# Altium PCB Thunderscope_Rev4.PCBDOC (part 7 of 7)
Units mm, origin at the board's own origin, x right, y up, seen from the top; angles counter-clockwise.
Board outline 119 x 103.6 mm, 6 copper layers (Top Layer, Int1 (GND), Int2 (Sign), Int3 (Sign), Int4 (GND), Bottom Layer), stack 1.49 mm thick; 636 components, 373 nets, 2159 pads, 1291 vias.
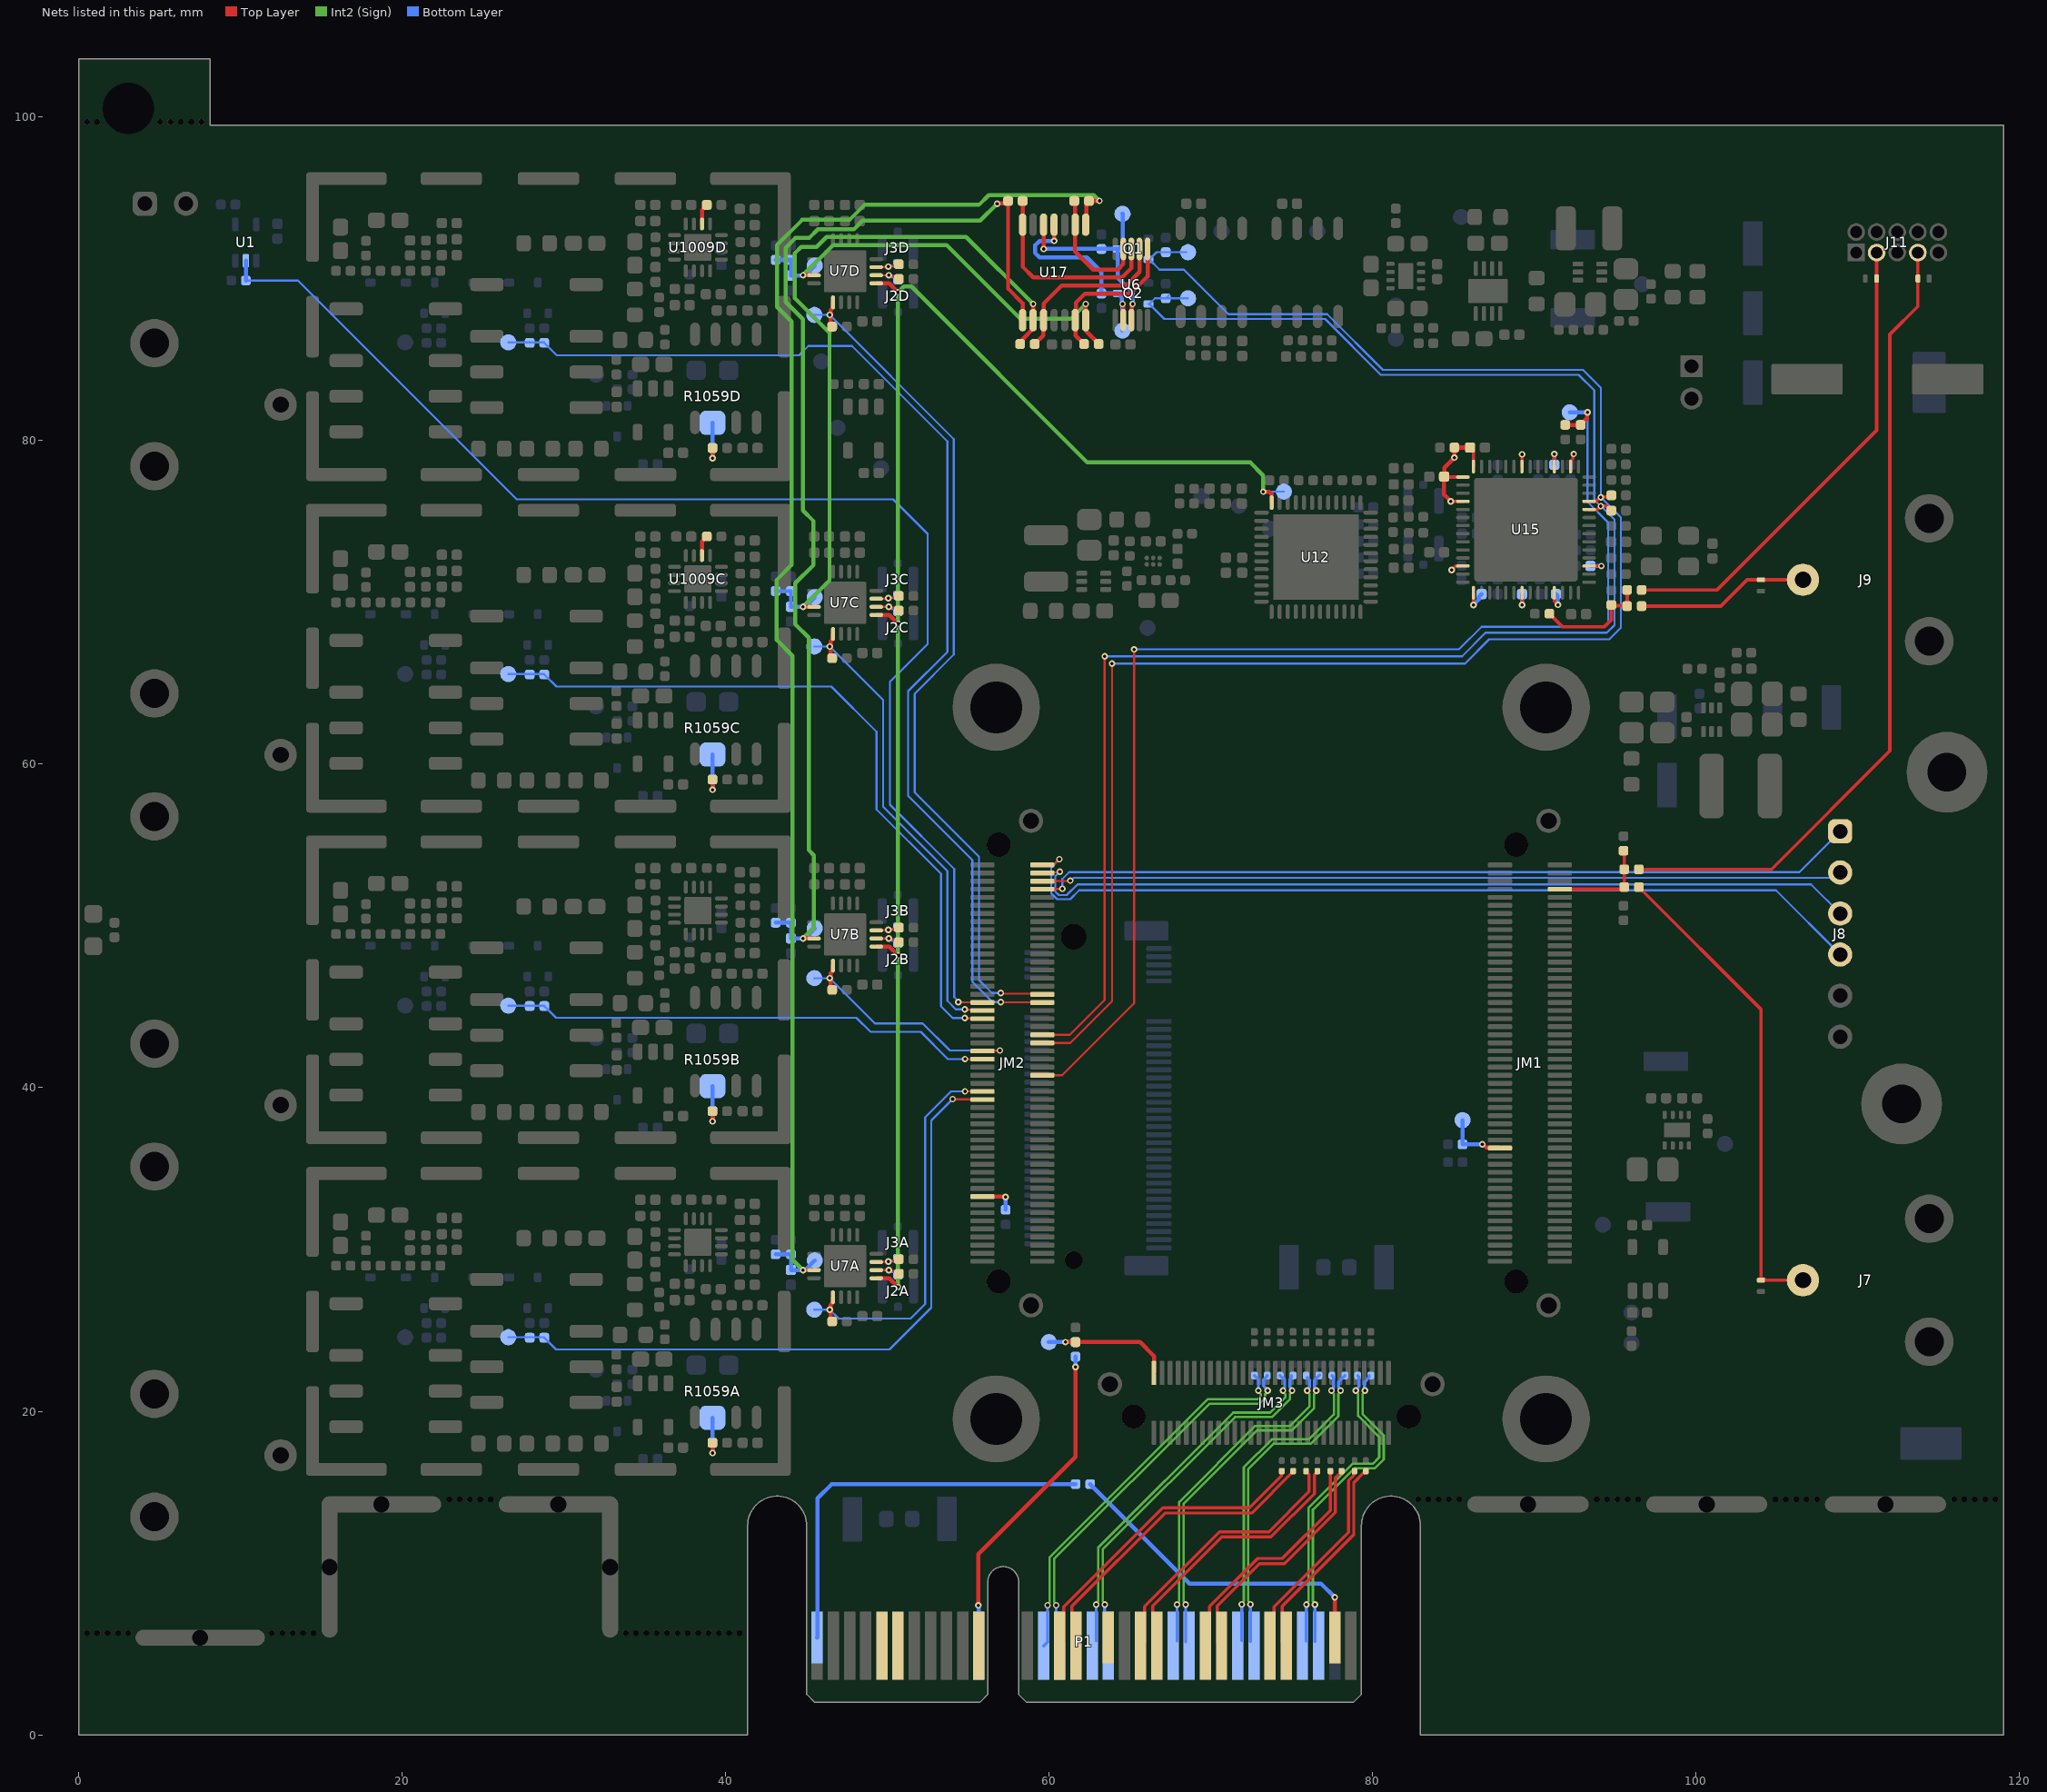
[diagram p11: the nets of this part, all layers, seen from the top]

## Via types
v1: diameter 0.406, hole 0.203, Top Layer to Bottom Layer, tented both sides, 1291 vias

## Nets (pads, with @x,y where several pads share a name; then routed paths per layer and width w, separated by ;. In a path a pad name is that pad's centre, name@x,y a point inside that pad or via, vN(x,y) a via of type N, cw(c..) or ccw(c..) an arc to the next point about the centre after c; other vN are vias at no path point) (continued)
NetR1054C_2: R1054C.2 U1009C.14 | length 1.3
  Top Layer w0.254: U1009C.14@38.525,72.9 38.525,73.763 38.825,74.063 R1054C.2@38.825,74.075
NetR1054D_2: R1054D.2 U1009D.14 | length 1.3
  Top Layer w0.254: U1009D.14@38.525,93.4 38.525,94.263 38.825,94.563 R1054D.2@38.825,94.575
NetR1055A_1: R1055A.1 R1057A.2 R1059A.2 | length 2.8
  Top Layer w0.254: v1(39.175,17.42) R1055A.1@39.175,18.05
  Bottom Layer w0.254: v1(39.175,17.42) R1057A.2@39.175,18.05 R1059A.2@39.175,19.6
NetR1055B_1: R1055B.1 R1057B.2 R1059B.2 | length 2.8
  Top Layer w0.254: v1(39.175,37.92) R1055B.1@39.175,38.55
  Bottom Layer w0.254: v1(39.175,37.92) R1057B.2@39.175,38.55 R1059B.2@39.175,40.1
NetR1055C_1: R1055C.1 R1057C.2 R1059C.2 | length 2.8
  Top Layer w0.254: v1(39.175,58.42) R1055C.1@39.175,59.05
  Bottom Layer w0.254: v1(39.175,58.42) R1057C.2@39.175,59.05 R1059C.2@39.175,60.6
NetR1055D_1: R1055D.1 R1057D.2 R1059D.2 | length 2.8
  Top Layer w0.254: v1(39.175,78.92) R1055D.1@39.175,79.55
  Bottom Layer w0.254: v1(39.175,78.92) R1057D.2@39.175,79.55 R1059D.2@39.175,81.1
OUT_RA_N: J2A.1 R40A.1 U7A.14 | length 1.7
  Top Layer w0.127: U7A.14@49.353,28.725 v1(50.075,28.725) 50.128,28.672 R40A.1@50.528,28.672 ; R40A.1@50.536,28.664 R40A.1@50.586,28.614
  Bottom Layer w0.127: v1(50.075,28.725) 50.151,28.725 50.285,28.591 J2A.1@50.484,28.591
OUT_RA_P: J3A.1 R30A.1 U7A.15 | length 1.8
  Top Layer w0.127: U7A.15@49.3,29.225 49.317,29.241 50.038,29.241 50.108,29.311 R30A.1@50.611,29.311 ; R30A.1@50.503,29.303 R30A.1@50.553,29.253
  Bottom Layer w0.127: v1(50.055,29.258) 50.072,29.275 J3A.1@50.465,29.275
OUT_RB_N: J2B.1 R40B.1 U7B.14 | length 1.7
  Top Layer w0.127: U7B.14@49.353,49.225 v1(50.075,49.225) 50.128,49.172 R40B.1@50.528,49.172 ; R40B.1@50.561,49.139 R40B.1@50.586,49.114
  Bottom Layer w0.127: v1(50.075,49.225) 50.151,49.225 50.285,49.091 J2B.1@50.484,49.091
OUT_RB_P: J3B.1 R30B.1 U7B.15 | length 1.8
  Top Layer w0.127: U7B.15@49.3,49.725 49.317,49.741 50.038,49.741 50.108,49.811 R30B.1@50.611,49.811 ; R30B.1@50.528,49.778 R30B.1@50.553,49.753
  Bottom Layer w0.127: v1(50.055,49.758) 50.072,49.775 J3B.1@50.465,49.775
OUT_RC_N: J2C.1 R40C.1 U7C.14 | length 1.7
  Top Layer w0.127: U7C.14@49.353,69.725 v1(50.075,69.725) 50.128,69.672 R40C.1@50.528,69.672 ; R40C.1@50.561,69.639 R40C.1@50.586,69.614
  Bottom Layer w0.127: v1(50.075,69.725) 50.151,69.725 50.285,69.591 J2C.1@50.484,69.591
OUT_RC_P: J3C.1 R30C.1 U7C.15 | length 1.8
  Top Layer w0.127: U7C.15@49.3,70.225 49.317,70.242 50.038,70.242 50.108,70.311 R30C.1@50.611,70.311 ; R30C.1@50.528,70.278 R30C.1@50.553,70.253
  Bottom Layer w0.127: v1(50.055,70.258) 50.072,70.275 J3C.1@50.465,70.275
OUT_RD_N: J2D.1 R40D.1 U7D.14 | length 2.1
  Top Layer w0.127: U7D.14@49.353,90.225 v1(50.075,90.225) 50.128,90.172 50.528,90.172 R40D.1@50.7,90
  Bottom Layer w0.127: v1(50.075,90.225) 50.151,90.225 50.285,90.091 50.484,90.091 J2D.1@50.65,89.925
OUT_RD_P: J3D.1 R30D.1 U7D.15 | length 2.1
  Top Layer w0.127: U7D.15@49.3,90.725 49.317,90.742 50.038,90.742 50.108,90.811 50.611,90.811 R30D.1@50.7,90.9
  Bottom Layer w0.127: v1(50.055,90.758) 50.072,90.775 50.465,90.775 J3D.1@50.631,90.941
PCIe_PER0_N: C74.1 P1.A17 | length 22.7
  Int2 (Sign) w0.148: v1@63.429,8.124 63.3,8.253 63.3,11.45 71.491,19.641 73.773,19.641 74.868,20.736 74.868,21.062 75.011,21.205 v1(75.011,21.275)
  Bottom Layer w0.191: P1.A17@63.429,5.765 v1(63.429,8.054) ; C74.1@74.975,22.21 74.975,22.085 74.875,21.985 74.875,21.469 75.011,21.333 v1(75.011,21.275)
PCIe_PER0_P: C75.1 P1.A16 | length 22.8
  Int2 (Sign) w0.148: v1@62.896,8.124 63.025,8.253 63.025,11.564 71.377,19.916 73.659,19.916 74.593,20.85 74.593,21.062 74.45,21.205 v1(74.45,21.275)
  Bottom Layer w0.191: P1.A16@62.896,5.808 v1(62.896,8.054) ; C75.1@74.265,22.195 74.378,22.081 74.44,22.081 74.557,21.964 74.557,21.441 74.45,21.333 v1(74.45,21.275)
PCIe_PER1_N: C70.1 P1.A22 | length 21.3
  Int2 (Sign) w0.148: 68.3,8.242 68.3,14.275 72.843,18.818 74.993,18.818 76.368,20.193 76.368,21.062 76.511,21.205 v1(76.511,21.275) ; 68.3,8.243 v1@68.429,8.113
  Bottom Layer w0.191: P1.A22@68.429,5.755 v1(68.429,8.043) ; v1(76.511,21.275) 76.511,21.333 76.401,21.443 76.401,21.936 76.546,22.081 76.561,22.081 76.716,22.236 C70.1@76.716,22.251
PCIe_PER1_P: C71.1 P1.A21 | length 21.1
  Int2 (Sign) w0.148: v1@67.896,8.113 68.025,8.242 68.025,14.389 72.73,19.093 74.88,19.093 76.093,20.307 76.093,21.062 75.95,21.205 v1(75.95,21.275)
  Bottom Layer w0.191: P1.A21@67.896,5.797 v1(67.896,8.043) ; C71.1@75.94,22.081 75.978,22.081 75.984,22.076 75.984,22.037 76.083,21.938 76.083,21.466 75.95,21.333 v1(75.95,21.275)
PCIe_PER2_N: C66.1 P1.A26 | length 20.3
  Int2 (Sign) w0.148: v1@72.429,8.135 72.3,8.264 72.3,16.425 73.871,17.996 76.171,17.996 77.868,19.693 77.868,21.062 78.011,21.205 v1(78.011,21.275)
  Bottom Layer w0.191: P1.A26@72.429,5.776 v1(72.429,8.065) ; v1(78.011,21.275) 78.011,21.333 77.889,21.455 77.889,21.819 78.152,22.081 78.161,22.081 78.275,22.195 C66.1@78.275,22.21
PCIe_PER2_P: C67.1 P1.A25 | length 20.2
  Int2 (Sign) w0.148: v1@71.896,8.135 72.025,8.264 72.025,16.539 73.757,18.27 76.057,18.27 77.593,19.807 77.593,21.062 77.45,21.205 v1(77.45,21.275)
  Bottom Layer w0.191: P1.A25@71.896,5.819 v1(71.896,8.065) ; v1(77.45,21.275) 77.45,21.333 77.572,21.455 77.572,22.113 C67.1@77.475,22.21
PCIe_PER3_N: C62.1 P1.A30 | length 19.7
  Int2 (Sign) w0.148: v1@76.429,8.121 76.3,8.25 76.3,11.113 76.3,13.911 78.864,16.475 80.114,16.475 80.675,17.036 80.675,18.514 79.368,19.821 79.368,21.062 79.511,21.205 v1(79.511,21.275)
  Bottom Layer w0.191: P1.A30@76.429,5.762 v1(76.429,8.051) ; v1(79.511,21.275) 79.474,21.312 79.474,21.794 79.775,22.095 C62.1@79.775,22.21
PCIe_PER3_P: C15.1 P1.A29 | length 19.7
  Int2 (Sign) w0.148: v1@75.896,8.121 76.025,8.25 76.025,10.999 76.025,14.025 78.75,16.75 80,16.75 80.4,17.15 80.4,18.4 79.093,19.707 79.093,21.062 78.95,21.205 v1(78.95,21.275)
  Bottom Layer w0.191: P1.A29@75.896,5.805 v1(75.896,8.051) ; v1(78.95,21.275) 78.95,21.333 79.157,21.54 79.157,22.128 C15.1@79.075,22.21
PCIe_PERST#: P1.A11 R84.2 | length 20.4
  Top Layer w0.254: v1(55.616,8) 55.616,11.166 61.625,17.175 v1(61.625,22.745)
  Bottom Layer w0.254: v1(55.616,8) 55.633,7.983 55.633,5.517 P1.A11@55.65,5.5 ; v1(61.625,22.745) R84.2@61.625,23.375
PCIe_PET0_N: P1.B15 R80.2 | length 19.7
  Top Layer w0.191: P1.B15@61.65,5.5 61.4,5.75 61.4,7.95 67.157,13.707 72.507,13.707 75.075,16.275 R80.2@75.075,16.3
PCIe_PET0_P: P1.B14 R81.2 | length 19.6
  Top Layer w0.191: P1.B14@60.65,5.5 60.9,5.75 60.9,7.899 67.026,14.025 72.376,14.025 74.342,15.991 74.342,16.267 R81.2@74.375,16.3
PCIe_PET1_N: P1.B20 R76.2 | length 16.9
  Top Layer w0.191: P1.B20@66.65,5.5 66.4,5.75 66.4,7.975 70.657,12.232 73.707,12.232 76.384,14.909 76.384,16.084 76.575,16.275 R76.2@76.575,16.3
PCIe_PET1_P: P1.B19 R77.2 | length 17
  Top Layer w0.191: P1.B19@65.65,5.5 65.9,5.75 65.9,7.924 70.526,12.55 73.576,12.55 76.066,15.041 76.066,16.084 75.875,16.275 R77.2@75.875,16.3
PCIe_PET2_N: P1.B24 R72.2 | length 15
  Top Layer w0.191: P1.B24@70.65,5.5 70.395,5.755 70.395,7.614 70.393,7.616 70.393,7.968 73.007,10.582 74.532,10.582 77.693,13.743 77.693,15.893 77.995,16.195 77.995,16.22 R72.2@78.075,16.3
PCIe_PET2_P: P1.B23 R73.2 | length 15
  Top Layer w0.191: P1.B23@69.9,5.249 69.9,7.924 72.876,10.9 74.401,10.9 77.375,13.874 R73.2@77.375,16.3
PCIe_PET3_N: P1.B28 R68.2 | length 13.1
  Top Layer w0.191: P1.B28@74.65,5.5 74.4,5.75 74.4,7.95 78.824,12.374 78.824,15.588 79.431,16.195 79.495,16.195 79.575,16.275 R68.2@79.575,16.3
PCIe_PET3_P: P1.B27 R69.2 | length 13
  Top Layer w0.191: P1.B27@73.905,5.316 73.905,7.904 78.506,12.505 78.506,15.72 78.807,16.021 78.807,16.232 R69.2@78.875,16.3
PCIe_REFCLK_N: C40.1 P1.A14 | length 24.3
  Int2 (Sign) w0.148: v1(60.429,8.009) 60.429,8.079 60.3,8.209 60.3,9.567 60.3,10.861 69.903,20.464 72.989,20.464 73.347,20.822 73.347,21.052 73.5,21.205 v1(73.5,21.275)
  Bottom Layer w0.191: v1(60.429,8.009) 60.429,5.721 P1.A14@60.65,5.5 ; C40.1@73.475,22.21 73.475,22.185 73.243,21.953 73.243,21.57 73.5,21.312 v1(73.5,21.275)
PCIe_REFCLK_P: C79.1 P1.A13 | length 24.3
  Int2 (Sign) w0.148: v1(59.896,8.009) 59.896,8.079 60.025,8.208 60.025,9.453 60.025,10.975 69.789,20.739 72.875,20.739 73.072,20.936 73.072,21.058 72.925,21.205 v1(72.925,21.275)
  Bottom Layer w0.191: P1.A13@59.65,5.5 59.905,5.755 59.896,5.763 v1(59.896,8.009) ; C79.1@72.675,22.21 72.675,22.195 72.789,22.081 72.798,22.081 72.925,21.955 v1(72.925,21.275)
PERST#: JM3.60 R84.1 R85.1 TP39.1 | length 8.5
  Top Layer w0.254: v1(60.995,24.275) R85.1@61.625,24.275 65.6,24.275 66.468,23.407 JM3.60@66.468,22.372
  Bottom Layer w0.254: TP39.1@59.975,24.275 v1(60.995,24.275) R84.1@61.625,24.275
PGA_CSn_1: JM2.43 R29A.1 TP26A.1 U7A.9 | length 24.8
  Top Layer w0.127: v1@54.789,39.773 JM2.43@55.831,39.773
  Top Layer w0.25: v1(46.425,26.275) 46.488,26.212 46.488,25.662 R29A.1@46.6,25.55 ; v1@46.442,26.275 46.488,26.321 46.488,26.58 46.625,26.717 U7A.9@46.625,27.05
  Bottom Layer w0.127: TP26A.1@45.475,26.275 v1(46.425,26.275) 46.975,25.725 51.425,25.725 52.325,26.625 52.325,38.175 53.925,39.775 v1(54.787,39.775)
PGA_CSn_2: JM2.53 R29B.1 TP26B.1 U7B.9 | length 16
  Top Layer w0.127: JM2.53@55.877,42.285 v1@56.933,42.285
  Top Layer w0.25: v1(46.425,46.775) 46.488,46.712 46.488,46.162 R29B.1@46.6,46.05 ; v1@46.442,46.775 46.488,46.821 46.488,47.08 46.625,47.217 U7B.9@46.625,47.55
  Bottom Layer w0.127: TP26B.1@45.475,46.775 v1(46.425,46.775) 49.225,43.975 52.175,43.975 53.85,42.3 v1(56.947,42.3)
PGA_CSn_3: JM2.63 R29C.1 TP26C.1 U7C.9 | length 29.9
  Top Layer w0.127: v1(54.775,44.85) 54.815,44.81 55.794,44.81 JM2.63@55.831,44.773
  Top Layer w0.25: v1(46.425,67.275) 46.488,67.212 46.488,66.662 R29C.1@46.6,66.55 ; v1@46.442,67.275 46.488,67.321 46.488,67.58 46.625,67.717 U7C.9@46.625,68.05
  Bottom Layer w0.127: TP26C.1@45.475,67.275 v1(46.425,67.275) 49.725,63.975 49.725,57.375 53.7,53.4 53.7,45.375 54.225,44.85 v1(54.775,44.85)
PGA_CSn_4: JM2.68 R29D.1 TP26D.1 U7D.9 | length 53.8
  Top Layer w0.127: v1(57,45.85) 57.04,45.81 59.527,45.81 JM2.68@59.565,45.773
  Top Layer w0.25: v1(46.425,87.775) 46.488,87.712 46.488,87.162 R29D.1@46.6,87.05 ; v1@46.442,87.775 46.488,87.821 46.488,88.08 46.625,88.217 U7D.9@46.625,88.55
  Bottom Layer w0.127: TP26D.1@45.475,87.775 v1(46.425,87.775) 54.1,80.1 54.1,66.775 51.675,64.35 51.675,58.25 55.65,54.275 55.65,46.65 56.45,45.85 v1(57,45.85)
PGOOD: JM1.29 R101.1 TP2.1 | length 3.9
  Top Layer w0.254: v1(86.775,36.5) 86.816,36.5 87.023,36.294 87.844,36.294 JM1.29@87.867,36.271
  Bottom Layer w0.254: TP2.1@85.55,38 R101.1@85.55,36.5 v1(86.775,36.5)
PLL_RSTn: JM2.48 R28.2 R89.1 TP44.1 | length 75.9
  Top Layer w0.127: JM2.48@59.567,40.771 60.796,40.771 65.25,45.225 v1(65.25,67.1)
  Top Layer w0.254: R89.1@91.9,80.975 R28.2@92.85,80.975 92.85,80.987 93.246,81.383 93.246,81.721 v1(93.275,81.75)
  Bottom Layer w0.127: v1(65.25,67.1) 85.325,67.1 86.725,68.5 94.288,68.5 94.55,68.762 94.55,74.943 93.275,76.218 v1(93.275,81.75)
  Bottom Layer w0.254: TP44.1@92.175,81.75 v1(93.275,81.75)
PROBE_COMP: JM2.65 R2.2 U1.2 | length 83
  Top Layer w0.127: v1(54.375,45.3) 54.39,45.285 JM2.65@55.877,45.285
  Bottom Layer w0.127: R2.2@10.325,89.9 13.55,89.9 27.075,76.375 50.344,76.375 52.475,74.244 52.475,67.425 50.15,65.1 50.15,57.5 54.125,53.525 54.125,45.607 54.375,45.357 v1(54.375,45.3)
  Bottom Layer w0.254: R2.2@10.325,89.9 U1.2@10.325,91.125
PRSNT1#: P1.A1 R86.1 | length 25
  Bottom Layer w0.254: P1.A1@45.637,6.012 P1.A1@45.65,6 45.675,6.025 45.675,14.625 46.55,15.5 R86.1@61.625,15.5
PRSNT2#_1: P1.B17
PRSNT2#_4: P1.B31 R86.2 | length 20.5
  Top Layer w0.254: P1.B31@77.65,6 v1(77.65,8.5)
  Bottom Layer w0.254: R86.2@62.525,15.5 68.675,9.35 76.8,9.35 v1(77.65,8.5)
REFINOUT: C96.2 R88.2 R106.2 R107.2 | length 7.2
  Top Layer w0.213: R88.2@90.925,69.3 91.725,68.5 94.325,68.5 94.75,68.925 94.75,69.84 94.783,69.808 95.693,69.808 R106.2@95.725,69.775 R107.2@95.725,70.775
REFINOUT1: D5.1 J9.1 R106.1 | length 10.6
  Top Layer w0.213: R106.1@96.625,69.775 101.525,69.775 103.15,71.4 D5.1@104,71.4 J9.1@106.6,71.4
REFINOUT2: D6.1 J11.3 R107.1 | length 29.6
  Top Layer w0.213: R107.1@96.625,70.775 101.3,70.775 111.16,80.635 111.16,90.025 J11.3@111.16,91.63
RESIN: JM2.17 R66.1 | length 2.2
  Top Layer w0.254: JM2.17@55.867,33.271 57.279,33.271 v1(57.3,33.25)
  Bottom Layer w0.254: R66.1@57.3,32.45 v1(57.3,33.25)
SCL: JM2.58 Q2.3 R21.1 R90.1 TP43.1 U15.24 | length 107.5
  Top Layer w0.127: JM2.58@59.567,43.271 61.271,43.271 63.425,45.425 v1(63.425,66.675)
  Top Layer w0.2: U15.24@93.375,75.75 93.88,75.75 94.08,75.95 94.448,75.95 94.723,75.675 R90.1@94.75,75.675
  Bottom Layer w0.127: v1(63.425,66.675) 85.525,66.675 86.975,68.125 94.475,68.125 94.945,68.595 94.945,75.121 94.116,75.95 v1(94.1,75.95) 94.093,75.95 93.7,76.343 93.7,83.109 92.734,84.075 86.975,84.075 80.5,84.075 77.05,87.525 67.115,87.525 Q2.3@66.19,88.45 ; Q2.3@66.125,88.45 Q2.3@66.19,88.45 ; R21.1@67.375,88.975 R21.1@67.2,88.8 ; TP43.1@68.575,88.8 R21.1@67.2,88.8 ; Q2.3@66.19,88.45 66.54,88.8 R21.1@67.2,88.8
SCL_5V: Q2.1 R23.1 TP20.1 U6.2 U17.4 | length 13.2
  Top Layer w0.254: v1(60.3,92.35) U17.4@60.3,93.35 ; v1(64.525,88.45) 64.525,88.409 64.557,88.377 64.557,87.468 U6.2@64.575,87.45
  Bottom Layer w0.254: v1(60.3,92.35) 59.4,92.35 59.125,92.075 59.125,91.6 59.4,91.325 62.325,91.325 63.225,90.425 R23.1@63.225,89.1 Q2.1@64.225,89.1 64.29,89.1 64.398,88.992 64.398,88.927 64.496,88.829 64.496,88.479 v1(64.525,88.45) TP20.1@64.525,86.8
SDA: JM2.56 Q1.3 R20.1 R91.1 TP42.1 U15.25 | length 109.4
  Top Layer w0.127: JM2.56@59.567,42.771 61.296,42.771 63.875,45.35 v1(63.875,66.225)
  Top Layer w0.2: U15.25@93.375,76.25 93.792,76.25 94.002,76.461 94.061,76.461 v1(94.1,76.5) ; v1@94.141,76.5 v1(94.1,76.5) ; R91.1@94.629,76.504 94.713,76.587 R91.1@94.75,76.625 ; R91.1@94.713,76.537 94.138,76.537 v1(94.1,76.5)
  Bottom Layer w0.127: v1(63.875,66.225) 85.7,66.225 87.2,67.725 94.625,67.725 95.345,68.445 95.345,75.262 94.107,76.5 v1(94.1,76.5) 94.1,83.275 93,84.375 80.624,84.375 77.174,87.825 71.075,87.825 68.325,90.575 66.815,90.575 Q1.3@66.19,91.2 ; Q1.3@66.125,91.2 Q1.3@66.19,91.2 ; TP42.1@68.475,91.65 R20.1@67.2,91.65 66.64,91.65 Q1.3@66.19,91.2
SDA_5V: Q1.1 R22.1 TP21.1 U6.3 U17.5 | length 13.2
  Top Layer w0.254: v1(59.65,91.85) U17.5@59.65,93.35 ; U6.3@65.075,87.45 65.093,87.468 65.093,88.352 65.15,88.409 v1(65.15,88.45)
  Bottom Layer w0.254: v1(59.65,91.85) R22.1@63.225,91.85 Q1.1@64.225,91.85 ; TP21.1@64.525,94.025 64.532,94.018 64.532,92.092 64.29,91.85 Q1.1@64.225,91.85 ; v1(65.15,88.45) 65.15,89.15 64.225,90.075 Q1.1@64.225,91.85
SMCLK: P1.B5
SMDAT: P1.B6
SYNC: JM1.94 R108.2 R109.2 R110.2 | length 6.3
  Top Layer w0.213: JM1.94@91.567,52.271 95.421,52.271 R108.2@95.55,52.4 95.55,54.6 R110.2@95.5,54.65
SYNC1: D4.1 J7.1 R108.1 | length 29.9
  Top Layer w0.213: R108.1@96.45,52.4 104,44.85 D4.1@104,28.1 ; D4.1@104.094,28.1 D4.1@104.179,28.186 ; 104.261,28.1 J7.1@106.6,28.1
SYNC2: D7.1 J11.7 R109.1 | length 50.1
  Top Layer w0.213: R109.1@96.45,53.5 104.65,53.5 111.975,60.825 111.975,86.575 113.7,88.3 J11.7@113.7,91.63
TCK: J8.4 JM2.100 | length 54.3
  Top Layer w0.127: JM2.100@59.567,53.771 59.646,53.85 60.35,53.85 v1(60.625,54.125)
  Bottom Layer w0.127: v1(60.625,54.125) 60.121,53.621 60.121,52.02 60.488,51.652 61.296,51.652 61.843,52.2 104.93,52.2 J8.4@108.9,48.23
TDI: J8.2 JM2.96 | length 49.6
  Top Layer w0.127: JM2.96@59.567,52.771 59.582,52.785 61.285,52.785 v1(61.3,52.8)
  Bottom Layer w0.127: v1(61.3,52.8) 61.339,52.8 61.514,52.975 108.193,52.975 108.528,53.31 J8.2@108.9,53.31
TDO: J8.3 JM2.98 | length 52.1
  Top Layer w0.127: JM2.98@59.567,53.271 59.607,53.31 60.61,53.31 v1(60.65,53.35)
  Bottom Layer w0.127: v1(60.65,53.35) 60.375,53.075 60.375,52.125 60.594,51.906 61.072,51.906 61.741,52.575 107.095,52.575 J8.3@108.9,50.77
TERM_1: JM2.41 R1039A.2 R1041A.2 TP1019A.1 | length 42.8
  Top Layer w0.127: v1(54.025,39.3) 54.04,39.285 JM2.41@55.877,39.285
  Bottom Layer w0.127: TP1019A.1@26.55,24.575 27.875,24.575 R1039A.2@28.775,24.575 ; R1039A.2@28.775,24.55 29.5,23.825 50.125,23.825 52.7,26.4 52.7,37.975 v1(54.025,39.3)
TERM_2: JM2.51 R1039B.2 R1041B.2 TP1019B.1 | length 30.6
  Top Layer w0.127: v1@54.789,41.773 JM2.51@55.831,41.773
  Bottom Layer w0.127: TP1019B.1@26.55,45.075 27.875,45.075 R1039B.2@28.775,45.075 ; R1039B.2@28.775,45.05 29.5,44.325 48.075,44.325 48.95,43.45 52.05,43.45 53.725,41.775 v1(54.787,41.775)
TERM_3: JM2.61 R1039C.2 R1041C.2 TP1019C.1 | length 45.7
  Top Layer w0.127: v1(54.775,44.308) 54.793,44.289 55.848,44.289 JM2.61@55.865,44.273
  Bottom Layer w0.127: TP1019C.1@26.55,65.575 R1039C.2@28.775,65.575 ; R1039C.2@28.775,65.55 29.525,64.8 46.525,64.8 49.325,62 49.325,57.2 53.3,53.225 53.3,45.025 54.017,44.308 v1(54.775,44.308)
TERM_4: JM2.66 R1039D.2 R1041D.2 TP1019D.1 | length 71
  Top Layer w0.127: v1(57,45.3) 57.015,45.285 59.552,45.285 JM2.66@59.565,45.273
  Bottom Layer w0.127: TP1019D.1@26.55,86.075 R1039D.2@28.775,86.075 ; R1039D.2@28.775,86.05 29.55,85.275 44.525,85.275 45.1,85.85 47.8,85.85 53.7,79.95 53.7,66.941 51.275,64.516 51.275,58.05 55.25,54.075 55.25,46.55 56.5,45.3 v1(57,45.3)
TMS: J8.1 JM2.94 | length 51.2
  Top Layer w0.127: JM2.94@59.567,52.271 59.582,52.285 60.785,52.285 v1(60.8,52.3)
  Bottom Layer w0.127: v1(60.8,52.3) 60.8,52.9 61.225,53.325 106.375,53.325 J8.1@108.9,55.85
TRIM1: C102A.1 R15.1 R97A.1 R98A.2 TP23A.1 U7A.7 U17.1 | length 92.7
  Top Layer w0.25: v1@44.761,28.725 v1(44.775,28.725) U7A.7@45.45,28.725 ; U17.1@62.25,93.35 62.288,93.388 62.288,94.738 62.375,94.825 v1(63.1,94.825)
  Int2 (Sign) w0.254: v1(44.775,28.725) 44.125,29.375 44.125,66.7 43.15,67.675 43.15,71.4 44.075,72.325 44.075,87.375 43.175,88.275 43.175,92.1 44.725,93.65 47.65,93.65 48.575,94.575 55.65,94.575 56.25,95.175 62.75,95.175 v1(63.1,94.825)
  Bottom Layer w0.254: R97A.1@43.075,29.7 R98A.2@44.025,29.7 C102A.1@44.025,28.735 44.03,28.73 44.77,28.73 v1(44.775,28.725) 44.804,28.754 44.929,28.754 TP23A.1@45.5,29.325
TRIM2: C102B.1 R17.1 R97B.1 R98B.2 TP23B.1 U7B.7 U17.8 | length 71.7
  Top Layer w0.25: v1@44.761,49.225 v1(44.775,49.225) U7B.7@45.45,49.225 ; v1(56.775,94.65) 56.817,94.65 56.849,94.682 57.307,94.682 R17.1@57.45,94.825 57.45,89.4 58.35,88.5 U17.8@58.35,87.45
  Int2 (Sign) w0.254: v1(44.775,49.225) 45.45,49.9 45.45,54.367 45.125,54.692 45.125,67.825 44.3,68.65 44.3,71.186 45.425,72.311 45.425,75.025 44.775,75.675 44.775,87.5 43.7,88.575 43.7,91.925 44.3,92.525 45.15,92.525 45.7,93.075 47.925,93.075 48.45,93.6 55.725,93.6 v1(56.775,94.65)
  Bottom Layer w0.254: R97B.1@43.075,50.2 R98B.2@44.025,50.2 C102B.1@44.025,49.235 44.03,49.23 44.77,49.23 v1(44.775,49.225) 44.804,49.254 44.904,49.254 TP23B.1@45.5,49.85
TRIM3: C102C.1 R18.1 R97C.1 R98C.2 TP23C.1 U7C.7 U17.9 | length 47.5
  Top Layer w0.25: v1@44.761,69.725 v1(44.775,69.725) U7C.7@45.45,69.725 ; R18.1@58.188,85.988 R18.1@58.2,85.975 58.36,86.135 58.36,86.28 59,86.921 v1(59,88.45)
  Int2 (Sign) w0.25: v1(44.775,69.725) 46.413,71.362 46.413,86.663
  Int2 (Sign) w0.254: 46.413,86.663 44.275,88.8 44.275,91.597 44.661,91.982 45.607,91.982 46.225,92.6 54.85,92.6 v1(59,88.45)
  Bottom Layer w0.25: R97C.1@43.075,70.7 R98C.2@44.025,70.7 C102C.1@44.025,69.735 44.03,69.73 44.77,69.73 v1(44.775,69.725) 44.805,69.755 44.93,69.755 TP23C.1@45.5,70.325
TRIM4: C102D.1 R19.1 R97D.1 R98D.2 TP23D.1 U7D.7 U17.14 | length 27.7
  Top Layer w0.25: v1@44.761,90.225 v1(44.775,90.225) U7D.7@45.45,90.225 ; v1(62.25,88.45) U17.14@62.25,87.45 62.288,87.412 62.288,86.75 63.05,85.989 R19.1@63.05,85.975 R19.1@63.075,85.95
  Int2 (Sign) w0.254: v1(44.775,90.225) 46.65,92.1 53.65,92.1 58.225,87.525 60.35,87.525 61.325,87.525 v1(62.25,88.45)
  Bottom Layer w0.254: R97D.1@43.075,91.175 R98D.2@44.025,91.175 C102D.1@44.025,90.21 44.032,90.217 44.767,90.217 44.804,90.254 44.929,90.254 TP23D.1@45.5,90.825
VCM: TP16.1 U7A.13 U7B.13 U7C.13 U7D.13 U12.48 | length 98.7
  Top Layer w0.254: U7A.13@49.3,28.225 50.1,28.225 v1(50.65,27.675) ; U7B.13@49.3,48.725 50.1,48.725 v1(50.65,48.175) ; U7C.13@49.3,69.225 50.1,69.225 v1(50.65,68.675) ; U7D.13@49.3,89.725 50.1,89.725 v1(50.65,89.175) ; v1(73.229,76.846) 73.584,76.846 73.743,76.687 U12.48@73.743,76.175